# Allegro board LED_FIN.brd (continued)
## Nets (continued)
COL_OUT_B88: D5702.1(CATHODE) D5732.1(CATHODE) D5762.1(CATHODE) D5792.1(CATHODE) D5822.1(CATHODE) D5852.1(CATHODE) D5882.1(CATHODE) D5912.1(CATHODE) D5942.1(CATHODE) D5972.1(CATHODE) D6002.1(CATHODE) D6032.1(CATHODE) D6062.1(CATHODE) D6092.1(CATHODE) D6122.1(CATHODE) D6152.1(CATHODE) D6182.1(CATHODE) D6212.1(CATHODE) D6242.1(CATHODE) D6272.1(CATHODE) D6302.1(CATHODE) D6332.1(CATHODE) D6362.1(CATHODE) D6392.1(CATHODE) D6422.1(CATHODE) D6452.1(CATHODE) D6482.1(CATHODE) D6512.1(CATHODE) D6542.1(CATHODE) D6572.1(CATHODE) D6602.1(CATHODE) D6632.1(CATHODE) D6662.1(CATHODE) D6692.1(CATHODE) D6722.1(CATHODE) D6752.1(CATHODE) D6782.1(CATHODE) D6812.1(CATHODE) R152.1
COL_OUT_B89: D5701.1(CATHODE) D5731.1(CATHODE) D5761.1(CATHODE) D5791.1(CATHODE) D5821.1(CATHODE) D5851.1(CATHODE) D5881.1(CATHODE) D5911.1(CATHODE) D5941.1(CATHODE) D5971.1(CATHODE) D6001.1(CATHODE) D6031.1(CATHODE) D6061.1(CATHODE) D6091.1(CATHODE) D6121.1(CATHODE) D6151.1(CATHODE) D6181.1(CATHODE) D6211.1(CATHODE) D6241.1(CATHODE) D6271.1(CATHODE) D6301.1(CATHODE) D6331.1(CATHODE) D6361.1(CATHODE) D6391.1(CATHODE) D6421.1(CATHODE) D6451.1(CATHODE) D6481.1(CATHODE) D6511.1(CATHODE) D6541.1(CATHODE) D6571.1(CATHODE) D6601.1(CATHODE) D6631.1(CATHODE) D6661.1(CATHODE) D6691.1(CATHODE) D6721.1(CATHODE) D6751.1(CATHODE) D6781.1(CATHODE) D6811.1(CATHODE) R151.1
COL_OUT_B90: D4590.1(CATHODE) D4620.1(CATHODE) D4650.1(CATHODE) D4680.1(CATHODE) D4710.1(CATHODE) D4740.1(CATHODE) D4770.1(CATHODE) D4800.1(CATHODE) D4830.1(CATHODE) D4860.1(CATHODE) D4890.1(CATHODE) D4920.1(CATHODE) D4950.1(CATHODE) D4980.1(CATHODE) D5010.1(CATHODE) D5040.1(CATHODE) D5070.1(CATHODE) D5100.1(CATHODE) D5130.1(CATHODE) D5160.1(CATHODE) D5190.1(CATHODE) D5220.1(CATHODE) D5250.1(CATHODE) D5280.1(CATHODE) D5310.1(CATHODE) D5340.1(CATHODE) D5370.1(CATHODE) D5400.1(CATHODE) D5430.1(CATHODE) D5460.1(CATHODE) D5490.1(CATHODE) D5520.1(CATHODE) D5550.1(CATHODE) D5580.1(CATHODE) D5610.1(CATHODE) D5640.1(CATHODE) D5670.1(CATHODE) D5700.1(CATHODE) R150.1
COL_OUT_B91: D4589.1(CATHODE) D4619.1(CATHODE) D4649.1(CATHODE) D4679.1(CATHODE) D4709.1(CATHODE) D4739.1(CATHODE) D4769.1(CATHODE) D4799.1(CATHODE) D4829.1(CATHODE) D4859.1(CATHODE) D4889.1(CATHODE) D4919.1(CATHODE) D4949.1(CATHODE) D4979.1(CATHODE) D5009.1(CATHODE) D5039.1(CATHODE) D5069.1(CATHODE) D5099.1(CATHODE) D5129.1(CATHODE) D5159.1(CATHODE) D5189.1(CATHODE) D5219.1(CATHODE) D5249.1(CATHODE) D5279.1(CATHODE) D5309.1(CATHODE) D5339.1(CATHODE) D5369.1(CATHODE) D5399.1(CATHODE) D5429.1(CATHODE) D5459.1(CATHODE) D5489.1(CATHODE) D5519.1(CATHODE) D5549.1(CATHODE) D5579.1(CATHODE) D5609.1(CATHODE) D5639.1(CATHODE) D5669.1(CATHODE) D5699.1(CATHODE) R149.1
COL_OUT_B92: D4588.1(CATHODE) D4618.1(CATHODE) D4648.1(CATHODE) D4678.1(CATHODE) D4708.1(CATHODE) D4738.1(CATHODE) D4768.1(CATHODE) D4798.1(CATHODE) D4828.1(CATHODE) D4858.1(CATHODE) D4888.1(CATHODE) D4918.1(CATHODE) D4948.1(CATHODE) D4978.1(CATHODE) D5008.1(CATHODE) D5038.1(CATHODE) D5068.1(CATHODE) D5098.1(CATHODE) D5128.1(CATHODE) D5158.1(CATHODE) D5188.1(CATHODE) D5218.1(CATHODE) D5248.1(CATHODE) D5278.1(CATHODE) D5308.1(CATHODE) D5338.1(CATHODE) D5368.1(CATHODE) D5398.1(CATHODE) D5428.1(CATHODE) D5458.1(CATHODE) D5488.1(CATHODE) D5518.1(CATHODE) D5548.1(CATHODE) D5578.1(CATHODE) D5608.1(CATHODE) D5638.1(CATHODE) D5668.1(CATHODE) D5698.1(CATHODE) R148.1
COL_OUT_B93: D4587.1(CATHODE) D4617.1(CATHODE) D4647.1(CATHODE) D4677.1(CATHODE) D4707.1(CATHODE) D4737.1(CATHODE) D4767.1(CATHODE) D4797.1(CATHODE) D4827.1(CATHODE) D4857.1(CATHODE) D4887.1(CATHODE) D4917.1(CATHODE) D4947.1(CATHODE) D4977.1(CATHODE) D5007.1(CATHODE) D5037.1(CATHODE) D5067.1(CATHODE) D5097.1(CATHODE) D5127.1(CATHODE) D5157.1(CATHODE) D5187.1(CATHODE) D5217.1(CATHODE) D5247.1(CATHODE) D5277.1(CATHODE) D5307.1(CATHODE) D5337.1(CATHODE) D5367.1(CATHODE) D5397.1(CATHODE) D5427.1(CATHODE) D5457.1(CATHODE) D5487.1(CATHODE) D5517.1(CATHODE) D5547.1(CATHODE) D5577.1(CATHODE) D5607.1(CATHODE) D5637.1(CATHODE) D5667.1(CATHODE) D5697.1(CATHODE) R147.1
COL_OUT_B94: D4586.1(CATHODE) D4616.1(CATHODE) D4646.1(CATHODE) D4676.1(CATHODE) D4706.1(CATHODE) D4736.1(CATHODE) D4766.1(CATHODE) D4796.1(CATHODE) D4826.1(CATHODE) D4856.1(CATHODE) D4886.1(CATHODE) D4916.1(CATHODE) D4946.1(CATHODE) D4976.1(CATHODE) D5006.1(CATHODE) D5036.1(CATHODE) D5066.1(CATHODE) D5096.1(CATHODE) D5126.1(CATHODE) D5156.1(CATHODE) D5186.1(CATHODE) D5216.1(CATHODE) D5246.1(CATHODE) D5276.1(CATHODE) D5306.1(CATHODE) D5336.1(CATHODE) D5366.1(CATHODE) D5396.1(CATHODE) D5426.1(CATHODE) D5456.1(CATHODE) D5486.1(CATHODE) D5516.1(CATHODE) D5546.1(CATHODE) D5576.1(CATHODE) D5606.1(CATHODE) D5636.1(CATHODE) D5666.1(CATHODE) D5696.1(CATHODE) R146.1
COL_OUT_B95: D4585.1(CATHODE) D4615.1(CATHODE) D4645.1(CATHODE) D4675.1(CATHODE) D4705.1(CATHODE) D4735.1(CATHODE) D4765.1(CATHODE) D4795.1(CATHODE) D4825.1(CATHODE) D4855.1(CATHODE) D4885.1(CATHODE) D4915.1(CATHODE) D4945.1(CATHODE) D4975.1(CATHODE) D5005.1(CATHODE) D5035.1(CATHODE) D5065.1(CATHODE) D5095.1(CATHODE) D5125.1(CATHODE) D5155.1(CATHODE) D5185.1(CATHODE) D5215.1(CATHODE) D5245.1(CATHODE) D5275.1(CATHODE) D5305.1(CATHODE) D5335.1(CATHODE) D5365.1(CATHODE) D5395.1(CATHODE) D5425.1(CATHODE) D5455.1(CATHODE) D5485.1(CATHODE) D5515.1(CATHODE) D5545.1(CATHODE) D5575.1(CATHODE) D5605.1(CATHODE) D5635.1(CATHODE) D5665.1(CATHODE) D5695.1(CATHODE) R145.1
COL_OUT_B96: D4584.1(CATHODE) D4614.1(CATHODE) D4644.1(CATHODE) D4674.1(CATHODE) D4704.1(CATHODE) D4734.1(CATHODE) D4764.1(CATHODE) D4794.1(CATHODE) D4824.1(CATHODE) D4854.1(CATHODE) D4884.1(CATHODE) D4914.1(CATHODE) D4944.1(CATHODE) D4974.1(CATHODE) D5004.1(CATHODE) D5034.1(CATHODE) D5064.1(CATHODE) D5094.1(CATHODE) D5124.1(CATHODE) D5154.1(CATHODE) D5184.1(CATHODE) D5214.1(CATHODE) D5244.1(CATHODE) D5274.1(CATHODE) D5304.1(CATHODE) D5334.1(CATHODE) D5364.1(CATHODE) D5394.1(CATHODE) D5424.1(CATHODE) D5454.1(CATHODE) D5484.1(CATHODE) D5514.1(CATHODE) D5544.1(CATHODE) D5574.1(CATHODE) D5604.1(CATHODE) D5634.1(CATHODE) D5664.1(CATHODE) D5694.1(CATHODE) R144.1
COL_OUT_B97: D4583.1(CATHODE) D4613.1(CATHODE) D4643.1(CATHODE) D4673.1(CATHODE) D4703.1(CATHODE) D4733.1(CATHODE) D4763.1(CATHODE) D4793.1(CATHODE) D4823.1(CATHODE) D4853.1(CATHODE) D4883.1(CATHODE) D4913.1(CATHODE) D4943.1(CATHODE) D4973.1(CATHODE) D5003.1(CATHODE) D5033.1(CATHODE) D5063.1(CATHODE) D5093.1(CATHODE) D5123.1(CATHODE) D5153.1(CATHODE) D5183.1(CATHODE) D5213.1(CATHODE) D5243.1(CATHODE) D5273.1(CATHODE) D5303.1(CATHODE) D5333.1(CATHODE) D5363.1(CATHODE) D5393.1(CATHODE) D5423.1(CATHODE) D5453.1(CATHODE) D5483.1(CATHODE) D5513.1(CATHODE) D5543.1(CATHODE) D5573.1(CATHODE) D5603.1(CATHODE) D5633.1(CATHODE) D5663.1(CATHODE) D5693.1(CATHODE) R143.1
COL_OUT_B98: D4582.1(CATHODE) D4612.1(CATHODE) D4642.1(CATHODE) D4672.1(CATHODE) D4702.1(CATHODE) D4732.1(CATHODE) D4762.1(CATHODE) D4792.1(CATHODE) D4822.1(CATHODE) D4852.1(CATHODE) D4882.1(CATHODE) D4912.1(CATHODE) D4942.1(CATHODE) D4972.1(CATHODE) D5002.1(CATHODE) D5032.1(CATHODE) D5062.1(CATHODE) D5092.1(CATHODE) D5122.1(CATHODE) D5152.1(CATHODE) D5182.1(CATHODE) D5212.1(CATHODE) D5242.1(CATHODE) D5272.1(CATHODE) D5302.1(CATHODE) D5332.1(CATHODE) D5362.1(CATHODE) D5392.1(CATHODE) D5422.1(CATHODE) D5452.1(CATHODE) D5482.1(CATHODE) D5512.1(CATHODE) D5542.1(CATHODE) D5572.1(CATHODE) D5602.1(CATHODE) D5632.1(CATHODE) D5662.1(CATHODE) D5692.1(CATHODE) R142.1
COL_OUT_B99: D4581.1(CATHODE) D4611.1(CATHODE) D4641.1(CATHODE) D4671.1(CATHODE) D4701.1(CATHODE) D4731.1(CATHODE) D4761.1(CATHODE) D4791.1(CATHODE) D4821.1(CATHODE) D4851.1(CATHODE) D4881.1(CATHODE) D4911.1(CATHODE) D4941.1(CATHODE) D4971.1(CATHODE) D5001.1(CATHODE) D5031.1(CATHODE) D5061.1(CATHODE) D5091.1(CATHODE) D5121.1(CATHODE) D5151.1(CATHODE) D5181.1(CATHODE) D5211.1(CATHODE) D5241.1(CATHODE) D5271.1(CATHODE) D5301.1(CATHODE) D5331.1(CATHODE) D5361.1(CATHODE) D5391.1(CATHODE) D5421.1(CATHODE) D5451.1(CATHODE) D5481.1(CATHODE) D5511.1(CATHODE) D5541.1(CATHODE) D5571.1(CATHODE) D5601.1(CATHODE) D5631.1(CATHODE) D5661.1(CATHODE) D5691.1(CATHODE) R141.1
COL_OUT_B100: D4580.1(CATHODE) D4610.1(CATHODE) D4640.1(CATHODE) D4670.1(CATHODE) D4700.1(CATHODE) D4730.1(CATHODE) D4760.1(CATHODE) D4790.1(CATHODE) D4820.1(CATHODE) D4850.1(CATHODE) D4880.1(CATHODE) D4910.1(CATHODE) D4940.1(CATHODE) D4970.1(CATHODE) D5000.1(CATHODE) D5030.1(CATHODE) D5060.1(CATHODE) D5090.1(CATHODE) D5120.1(CATHODE) D5150.1(CATHODE) D5180.1(CATHODE) D5210.1(CATHODE) D5240.1(CATHODE) D5270.1(CATHODE) D5300.1(CATHODE) D5330.1(CATHODE) D5360.1(CATHODE) D5390.1(CATHODE) D5420.1(CATHODE) D5450.1(CATHODE) D5480.1(CATHODE) D5510.1(CATHODE) D5540.1(CATHODE) D5570.1(CATHODE) D5600.1(CATHODE) D5630.1(CATHODE) D5660.1(CATHODE) D5690.1(CATHODE) R140.1
COL_OUT_B101: D4579.1(CATHODE) D4609.1(CATHODE) D4639.1(CATHODE) D4669.1(CATHODE) D4699.1(CATHODE) D4729.1(CATHODE) D4759.1(CATHODE) D4789.1(CATHODE) D4819.1(CATHODE) D4849.1(CATHODE) D4879.1(CATHODE) D4909.1(CATHODE) D4939.1(CATHODE) D4969.1(CATHODE) D4999.1(CATHODE) D5029.1(CATHODE) D5059.1(CATHODE) D5089.1(CATHODE) D5119.1(CATHODE) D5149.1(CATHODE) D5179.1(CATHODE) D5209.1(CATHODE) D5239.1(CATHODE) D5269.1(CATHODE) D5299.1(CATHODE) D5329.1(CATHODE) D5359.1(CATHODE) D5389.1(CATHODE) D5419.1(CATHODE) D5449.1(CATHODE) D5479.1(CATHODE) D5509.1(CATHODE) D5539.1(CATHODE) D5569.1(CATHODE) D5599.1(CATHODE) D5629.1(CATHODE) D5659.1(CATHODE) D5689.1(CATHODE) R139.1
COL_OUT_B102: D4578.1(CATHODE) D4608.1(CATHODE) D4638.1(CATHODE) D4668.1(CATHODE) D4698.1(CATHODE) D4728.1(CATHODE) D4758.1(CATHODE) D4788.1(CATHODE) D4818.1(CATHODE) D4848.1(CATHODE) D4878.1(CATHODE) D4908.1(CATHODE) D4938.1(CATHODE) D4968.1(CATHODE) D4998.1(CATHODE) D5028.1(CATHODE) D5058.1(CATHODE) D5088.1(CATHODE) D5118.1(CATHODE) D5148.1(CATHODE) D5178.1(CATHODE) D5208.1(CATHODE) D5238.1(CATHODE) D5268.1(CATHODE) D5298.1(CATHODE) D5328.1(CATHODE) D5358.1(CATHODE) D5388.1(CATHODE) D5418.1(CATHODE) D5448.1(CATHODE) D5478.1(CATHODE) D5508.1(CATHODE) D5538.1(CATHODE) D5568.1(CATHODE) D5598.1(CATHODE) D5628.1(CATHODE) D5658.1(CATHODE) D5688.1(CATHODE) R138.1
COL_OUT_B103: D4577.1(CATHODE) D4607.1(CATHODE) D4637.1(CATHODE) D4667.1(CATHODE) D4697.1(CATHODE) D4727.1(CATHODE) D4757.1(CATHODE) D4787.1(CATHODE) D4817.1(CATHODE) D4847.1(CATHODE) D4877.1(CATHODE) D4907.1(CATHODE) D4937.1(CATHODE) D4967.1(CATHODE) D4997.1(CATHODE) D5027.1(CATHODE) D5057.1(CATHODE) D5087.1(CATHODE) D5117.1(CATHODE) D5147.1(CATHODE) D5177.1(CATHODE) D5207.1(CATHODE) D5237.1(CATHODE) D5267.1(CATHODE) D5297.1(CATHODE) D5327.1(CATHODE) D5357.1(CATHODE) D5387.1(CATHODE) D5417.1(CATHODE) D5447.1(CATHODE) D5477.1(CATHODE) D5507.1(CATHODE) D5537.1(CATHODE) D5567.1(CATHODE) D5597.1(CATHODE) D5627.1(CATHODE) D5657.1(CATHODE) D5687.1(CATHODE) R137.1
COL_OUT_B104: D4576.1(CATHODE) D4606.1(CATHODE) D4636.1(CATHODE) D4666.1(CATHODE) D4696.1(CATHODE) D4726.1(CATHODE) D4756.1(CATHODE) D4786.1(CATHODE) D4816.1(CATHODE) D4846.1(CATHODE) D4876.1(CATHODE) D4906.1(CATHODE) D4936.1(CATHODE) D4966.1(CATHODE) D4996.1(CATHODE) D5026.1(CATHODE) D5056.1(CATHODE) D5086.1(CATHODE) D5116.1(CATHODE) D5146.1(CATHODE) D5176.1(CATHODE) D5206.1(CATHODE) D5236.1(CATHODE) D5266.1(CATHODE) D5296.1(CATHODE) D5326.1(CATHODE) D5356.1(CATHODE) D5386.1(CATHODE) D5416.1(CATHODE) D5446.1(CATHODE) D5476.1(CATHODE) D5506.1(CATHODE) D5536.1(CATHODE) D5566.1(CATHODE) D5596.1(CATHODE) D5626.1(CATHODE) D5656.1(CATHODE) D5686.1(CATHODE) R136.1
COL_OUT_B105: D4575.1(CATHODE) D4605.1(CATHODE) D4635.1(CATHODE) D4665.1(CATHODE) D4695.1(CATHODE) D4725.1(CATHODE) D4755.1(CATHODE) D4785.1(CATHODE) D4815.1(CATHODE) D4845.1(CATHODE) D4875.1(CATHODE) D4905.1(CATHODE) D4935.1(CATHODE) D4965.1(CATHODE) D4995.1(CATHODE) D5025.1(CATHODE) D5055.1(CATHODE) D5085.1(CATHODE) D5115.1(CATHODE) D5145.1(CATHODE) D5175.1(CATHODE) D5205.1(CATHODE) D5235.1(CATHODE) D5265.1(CATHODE) D5295.1(CATHODE) D5325.1(CATHODE) D5355.1(CATHODE) D5385.1(CATHODE) D5415.1(CATHODE) D5445.1(CATHODE) D5475.1(CATHODE) D5505.1(CATHODE) D5535.1(CATHODE) D5565.1(CATHODE) D5595.1(CATHODE) D5625.1(CATHODE) D5655.1(CATHODE) D5685.1(CATHODE) R135.1
COL_OUT_B106: D4574.1(CATHODE) D4604.1(CATHODE) D4634.1(CATHODE) D4664.1(CATHODE) D4694.1(CATHODE) D4724.1(CATHODE) D4754.1(CATHODE) D4784.1(CATHODE) D4814.1(CATHODE) D4844.1(CATHODE) D4874.1(CATHODE) D4904.1(CATHODE) D4934.1(CATHODE) D4964.1(CATHODE) D4994.1(CATHODE) D5024.1(CATHODE) D5054.1(CATHODE) D5084.1(CATHODE) D5114.1(CATHODE) D5144.1(CATHODE) D5174.1(CATHODE) D5204.1(CATHODE) D5234.1(CATHODE) D5264.1(CATHODE) D5294.1(CATHODE) D5324.1(CATHODE) D5354.1(CATHODE) D5384.1(CATHODE) D5414.1(CATHODE) D5444.1(CATHODE) D5474.1(CATHODE) D5504.1(CATHODE) D5534.1(CATHODE) D5564.1(CATHODE) D5594.1(CATHODE) D5624.1(CATHODE) D5654.1(CATHODE) D5684.1(CATHODE) R134.1
COL_OUT_B107: D4573.1(CATHODE) D4603.1(CATHODE) D4633.1(CATHODE) D4663.1(CATHODE) D4693.1(CATHODE) D4723.1(CATHODE) D4753.1(CATHODE) D4783.1(CATHODE) D4813.1(CATHODE) D4843.1(CATHODE) D4873.1(CATHODE) D4903.1(CATHODE) D4933.1(CATHODE) D4963.1(CATHODE) D4993.1(CATHODE) D5023.1(CATHODE) D5053.1(CATHODE) D5083.1(CATHODE) D5113.1(CATHODE) D5143.1(CATHODE) D5173.1(CATHODE) D5203.1(CATHODE) D5233.1(CATHODE) D5263.1(CATHODE) D5293.1(CATHODE) D5323.1(CATHODE) D5353.1(CATHODE) D5383.1(CATHODE) D5413.1(CATHODE) D5443.1(CATHODE) D5473.1(CATHODE) D5503.1(CATHODE) D5533.1(CATHODE) D5563.1(CATHODE) D5593.1(CATHODE) D5623.1(CATHODE) D5653.1(CATHODE) D5683.1(CATHODE) R133.1
COL_OUT_B108: D4572.1(CATHODE) D4602.1(CATHODE) D4632.1(CATHODE) D4662.1(CATHODE) D4692.1(CATHODE) D4722.1(CATHODE) D4752.1(CATHODE) D4782.1(CATHODE) D4812.1(CATHODE) D4842.1(CATHODE) D4872.1(CATHODE) D4902.1(CATHODE) D4932.1(CATHODE) D4962.1(CATHODE) D4992.1(CATHODE) D5022.1(CATHODE) D5052.1(CATHODE) D5082.1(CATHODE) D5112.1(CATHODE) D5142.1(CATHODE) D5172.1(CATHODE) D5202.1(CATHODE) D5232.1(CATHODE) D5262.1(CATHODE) D5292.1(CATHODE) D5322.1(CATHODE) D5352.1(CATHODE) D5382.1(CATHODE) D5412.1(CATHODE) D5442.1(CATHODE) D5472.1(CATHODE) D5502.1(CATHODE) D5532.1(CATHODE) D5562.1(CATHODE) D5592.1(CATHODE) D5622.1(CATHODE) D5652.1(CATHODE) D5682.1(CATHODE) R132.1
COL_OUT_B109: D4571.1(CATHODE) D4601.1(CATHODE) D4631.1(CATHODE) D4661.1(CATHODE) D4691.1(CATHODE) D4721.1(CATHODE) D4751.1(CATHODE) D4781.1(CATHODE) D4811.1(CATHODE) D4841.1(CATHODE) D4871.1(CATHODE) D4901.1(CATHODE) D4931.1(CATHODE) D4961.1(CATHODE) D4991.1(CATHODE) D5021.1(CATHODE) D5051.1(CATHODE) D5081.1(CATHODE) D5111.1(CATHODE) D5141.1(CATHODE) D5171.1(CATHODE) D5201.1(CATHODE) D5231.1(CATHODE) D5261.1(CATHODE) D5291.1(CATHODE) D5321.1(CATHODE) D5351.1(CATHODE) D5381.1(CATHODE) D5411.1(CATHODE) D5441.1(CATHODE) D5471.1(CATHODE) D5501.1(CATHODE) D5531.1(CATHODE) D5561.1(CATHODE) D5591.1(CATHODE) D5621.1(CATHODE) D5651.1(CATHODE) D5681.1(CATHODE) R131.1
COL_OUT_B110: D4570.1(CATHODE) D4600.1(CATHODE) D4630.1(CATHODE) D4660.1(CATHODE) D4690.1(CATHODE) D4720.1(CATHODE) D4750.1(CATHODE) D4780.1(CATHODE) D4810.1(CATHODE) D4840.1(CATHODE) D4870.1(CATHODE) D4900.1(CATHODE) D4930.1(CATHODE) D4960.1(CATHODE) D4990.1(CATHODE) D5020.1(CATHODE) D5050.1(CATHODE) D5080.1(CATHODE) D5110.1(CATHODE) D5140.1(CATHODE) D5170.1(CATHODE) D5200.1(CATHODE) D5230.1(CATHODE) D5260.1(CATHODE) D5290.1(CATHODE) D5320.1(CATHODE) D5350.1(CATHODE) D5380.1(CATHODE) D5410.1(CATHODE) D5440.1(CATHODE) D5470.1(CATHODE) D5500.1(CATHODE) D5530.1(CATHODE) D5560.1(CATHODE) D5590.1(CATHODE) D5620.1(CATHODE) D5650.1(CATHODE) D5680.1(CATHODE) R130.1
COL_OUT_B111: D4569.1(CATHODE) D4599.1(CATHODE) D4629.1(CATHODE) D4659.1(CATHODE) D4689.1(CATHODE) D4719.1(CATHODE) D4749.1(CATHODE) D4779.1(CATHODE) D4809.1(CATHODE) D4839.1(CATHODE) D4869.1(CATHODE) D4899.1(CATHODE) D4929.1(CATHODE) D4959.1(CATHODE) D4989.1(CATHODE) D5019.1(CATHODE) D5049.1(CATHODE) D5079.1(CATHODE) D5109.1(CATHODE) D5139.1(CATHODE) D5169.1(CATHODE) D5199.1(CATHODE) D5229.1(CATHODE) D5259.1(CATHODE) D5289.1(CATHODE) D5319.1(CATHODE) D5349.1(CATHODE) D5379.1(CATHODE) D5409.1(CATHODE) D5439.1(CATHODE) D5469.1(CATHODE) D5499.1(CATHODE) D5529.1(CATHODE) D5559.1(CATHODE) D5589.1(CATHODE) D5619.1(CATHODE) D5649.1(CATHODE) D5679.1(CATHODE) R129.1
COL_OUT_B112: D4568.1(CATHODE) D4598.1(CATHODE) D4628.1(CATHODE) D4658.1(CATHODE) D4688.1(CATHODE) D4718.1(CATHODE) D4748.1(CATHODE) D4778.1(CATHODE) D4808.1(CATHODE) D4838.1(CATHODE) D4868.1(CATHODE) D4898.1(CATHODE) D4928.1(CATHODE) D4958.1(CATHODE) D4988.1(CATHODE) D5018.1(CATHODE) D5048.1(CATHODE) D5078.1(CATHODE) D5108.1(CATHODE) D5138.1(CATHODE) D5168.1(CATHODE) D5198.1(CATHODE) D5228.1(CATHODE) D5258.1(CATHODE) D5288.1(CATHODE) D5318.1(CATHODE) D5348.1(CATHODE) D5378.1(CATHODE) D5408.1(CATHODE) D5438.1(CATHODE) D5468.1(CATHODE) D5498.1(CATHODE) D5528.1(CATHODE) D5558.1(CATHODE) D5588.1(CATHODE) D5618.1(CATHODE) D5648.1(CATHODE) D5678.1(CATHODE) R128.1
COL_OUT_B113: D4567.1(CATHODE) D4597.1(CATHODE) D4627.1(CATHODE) D4657.1(CATHODE) D4687.1(CATHODE) D4717.1(CATHODE) D4747.1(CATHODE) D4777.1(CATHODE) D4807.1(CATHODE) D4837.1(CATHODE) D4867.1(CATHODE) D4897.1(CATHODE) D4927.1(CATHODE) D4957.1(CATHODE) D4987.1(CATHODE) D5017.1(CATHODE) D5047.1(CATHODE) D5077.1(CATHODE) D5107.1(CATHODE) D5137.1(CATHODE) D5167.1(CATHODE) D5197.1(CATHODE) D5227.1(CATHODE) D5257.1(CATHODE) D5287.1(CATHODE) D5317.1(CATHODE) D5347.1(CATHODE) D5377.1(CATHODE) D5407.1(CATHODE) D5437.1(CATHODE) D5467.1(CATHODE) D5497.1(CATHODE) D5527.1(CATHODE) D5557.1(CATHODE) D5587.1(CATHODE) D5617.1(CATHODE) D5647.1(CATHODE) D5677.1(CATHODE) R127.1
COL_OUT_B114: D4566.1(CATHODE) D4596.1(CATHODE) D4626.1(CATHODE) D4656.1(CATHODE) D4686.1(CATHODE) D4716.1(CATHODE) D4746.1(CATHODE) D4776.1(CATHODE) D4806.1(CATHODE) D4836.1(CATHODE) D4866.1(CATHODE) D4896.1(CATHODE) D4926.1(CATHODE) D4956.1(CATHODE) D4986.1(CATHODE) D5016.1(CATHODE) D5046.1(CATHODE) D5076.1(CATHODE) D5106.1(CATHODE) D5136.1(CATHODE) D5166.1(CATHODE) D5196.1(CATHODE) D5226.1(CATHODE) D5256.1(CATHODE) D5286.1(CATHODE) D5316.1(CATHODE) D5346.1(CATHODE) D5376.1(CATHODE) D5406.1(CATHODE) D5436.1(CATHODE) D5466.1(CATHODE) D5496.1(CATHODE) D5526.1(CATHODE) D5556.1(CATHODE) D5586.1(CATHODE) D5616.1(CATHODE) D5646.1(CATHODE) D5676.1(CATHODE) R126.1
COL_OUT_B115: D4565.1(CATHODE) D4595.1(CATHODE) D4625.1(CATHODE) D4655.1(CATHODE) D4685.1(CATHODE) D4715.1(CATHODE) D4745.1(CATHODE) D4775.1(CATHODE) D4805.1(CATHODE) D4835.1(CATHODE) D4865.1(CATHODE) D4895.1(CATHODE) D4925.1(CATHODE) D4955.1(CATHODE) D4985.1(CATHODE) D5015.1(CATHODE) D5045.1(CATHODE) D5075.1(CATHODE) D5105.1(CATHODE) D5135.1(CATHODE) D5165.1(CATHODE) D5195.1(CATHODE) D5225.1(CATHODE) D5255.1(CATHODE) D5285.1(CATHODE) D5315.1(CATHODE) D5345.1(CATHODE) D5375.1(CATHODE) D5405.1(CATHODE) D5435.1(CATHODE) D5465.1(CATHODE) D5495.1(CATHODE) D5525.1(CATHODE) D5555.1(CATHODE) D5585.1(CATHODE) D5615.1(CATHODE) D5645.1(CATHODE) D5675.1(CATHODE) R125.1
COL_OUT_B116: D4564.1(CATHODE) D4594.1(CATHODE) D4624.1(CATHODE) D4654.1(CATHODE) D4684.1(CATHODE) D4714.1(CATHODE) D4744.1(CATHODE) D4774.1(CATHODE) D4804.1(CATHODE) D4834.1(CATHODE) D4864.1(CATHODE) D4894.1(CATHODE) D4924.1(CATHODE) D4954.1(CATHODE) D4984.1(CATHODE) D5014.1(CATHODE) D5044.1(CATHODE) D5074.1(CATHODE) D5104.1(CATHODE) D5134.1(CATHODE) D5164.1(CATHODE) D5194.1(CATHODE) D5224.1(CATHODE) D5254.1(CATHODE) D5284.1(CATHODE) D5314.1(CATHODE) D5344.1(CATHODE) D5374.1(CATHODE) D5404.1(CATHODE) D5434.1(CATHODE) D5464.1(CATHODE) D5494.1(CATHODE) D5524.1(CATHODE) D5554.1(CATHODE) D5584.1(CATHODE) D5614.1(CATHODE) D5644.1(CATHODE) D5674.1(CATHODE) R124.1
COL_OUT_B117: D4563.1(CATHODE) D4593.1(CATHODE) D4623.1(CATHODE) D4653.1(CATHODE) D4683.1(CATHODE) D4713.1(CATHODE) D4743.1(CATHODE) D4773.1(CATHODE) D4803.1(CATHODE) D4833.1(CATHODE) D4863.1(CATHODE) D4893.1(CATHODE) D4923.1(CATHODE) D4953.1(CATHODE) D4983.1(CATHODE) D5013.1(CATHODE) D5043.1(CATHODE) D5073.1(CATHODE) D5103.1(CATHODE) D5133.1(CATHODE) D5163.1(CATHODE) D5193.1(CATHODE) D5223.1(CATHODE) D5253.1(CATHODE) D5283.1(CATHODE) D5313.1(CATHODE) D5343.1(CATHODE) D5373.1(CATHODE) D5403.1(CATHODE) D5433.1(CATHODE) D5463.1(CATHODE) D5493.1(CATHODE) D5523.1(CATHODE) D5553.1(CATHODE) D5583.1(CATHODE) D5613.1(CATHODE) D5643.1(CATHODE) D5673.1(CATHODE) R123.1
COL_OUT_B118: D4562.1(CATHODE) D4592.1(CATHODE) D4622.1(CATHODE) D4652.1(CATHODE) D4682.1(CATHODE) D4712.1(CATHODE) D4742.1(CATHODE) D4772.1(CATHODE) D4802.1(CATHODE) D4832.1(CATHODE) D4862.1(CATHODE) D4892.1(CATHODE) D4922.1(CATHODE) D4952.1(CATHODE) D4982.1(CATHODE) D5012.1(CATHODE) D5042.1(CATHODE) D5072.1(CATHODE) D5102.1(CATHODE) D5132.1(CATHODE) D5162.1(CATHODE) D5192.1(CATHODE) D5222.1(CATHODE) D5252.1(CATHODE) D5282.1(CATHODE) D5312.1(CATHODE) D5342.1(CATHODE) D5372.1(CATHODE) D5402.1(CATHODE) D5432.1(CATHODE) D5462.1(CATHODE) D5492.1(CATHODE) D5522.1(CATHODE) D5552.1(CATHODE) D5582.1(CATHODE) D5612.1(CATHODE) D5642.1(CATHODE) D5672.1(CATHODE) R122.1
COL_OUT_B119: D4561.1(CATHODE) D4591.1(CATHODE) D4621.1(CATHODE) D4651.1(CATHODE) D4681.1(CATHODE) D4711.1(CATHODE) D4741.1(CATHODE) D4771.1(CATHODE) D4801.1(CATHODE) D4831.1(CATHODE) D4861.1(CATHODE) D4891.1(CATHODE) D4921.1(CATHODE) D4951.1(CATHODE) D4981.1(CATHODE) D5011.1(CATHODE) D5041.1(CATHODE) D5071.1(CATHODE) D5101.1(CATHODE) D5131.1(CATHODE) D5161.1(CATHODE) D5191.1(CATHODE) D5221.1(CATHODE) D5251.1(CATHODE) D5281.1(CATHODE) D5311.1(CATHODE) D5341.1(CATHODE) D5371.1(CATHODE) D5401.1(CATHODE) D5431.1(CATHODE) D5461.1(CATHODE) D5491.1(CATHODE) D5521.1(CATHODE) D5551.1(CATHODE) D5581.1(CATHODE) D5611.1(CATHODE) D5641.1(CATHODE) D5671.1(CATHODE) R121.1
COL_OUT_C0: D12570.1(CATHODE) D12600.1(CATHODE) D12630.1(CATHODE) D12660.1(CATHODE) D12690.1(CATHODE) D12720.1(CATHODE) D12750.1(CATHODE) D12780.1(CATHODE) D12810.1(CATHODE) D12840.1(CATHODE) D12870.1(CATHODE) D12900.1(CATHODE) D12930.1(CATHODE) D12960.1(CATHODE) D12990.1(CATHODE) D13020.1(CATHODE) D13050.1(CATHODE) D13080.1(CATHODE) D13110.1(CATHODE) D13140.1(CATHODE) D13170.1(CATHODE) D13200.1(CATHODE) D13230.1(CATHODE) D13260.1(CATHODE) D13290.1(CATHODE) D13320.1(CATHODE) D13350.1(CATHODE) D13380.1(CATHODE) D13410.1(CATHODE) D13440.1(CATHODE) D13470.1(CATHODE) D13500.1(CATHODE) D13530.1(CATHODE) D13560.1(CATHODE) D13590.1(CATHODE) D13620.1(CATHODE) D13650.1(CATHODE) D13680.1(CATHODE) R360.1
COL_OUT_C1: D12569.1(CATHODE) D12599.1(CATHODE) D12629.1(CATHODE) D12659.1(CATHODE) D12689.1(CATHODE) D12719.1(CATHODE) D12749.1(CATHODE) D12779.1(CATHODE) D12809.1(CATHODE) D12839.1(CATHODE) D12869.1(CATHODE) D12899.1(CATHODE) D12929.1(CATHODE) D12959.1(CATHODE) D12989.1(CATHODE) D13019.1(CATHODE) D13049.1(CATHODE) D13079.1(CATHODE) D13109.1(CATHODE) D13139.1(CATHODE) D13169.1(CATHODE) D13199.1(CATHODE) D13229.1(CATHODE) D13259.1(CATHODE) D13289.1(CATHODE) D13319.1(CATHODE) D13349.1(CATHODE) D13379.1(CATHODE) D13409.1(CATHODE) D13439.1(CATHODE) D13469.1(CATHODE) D13499.1(CATHODE) D13529.1(CATHODE) D13559.1(CATHODE) D13589.1(CATHODE) D13619.1(CATHODE) D13649.1(CATHODE) D13679.1(CATHODE) R359.1
COL_OUT_C2: D12568.1(CATHODE) D12598.1(CATHODE) D12628.1(CATHODE) D12658.1(CATHODE) D12688.1(CATHODE) D12718.1(CATHODE) D12748.1(CATHODE) D12778.1(CATHODE) D12808.1(CATHODE) D12838.1(CATHODE) D12868.1(CATHODE) D12898.1(CATHODE) D12928.1(CATHODE) D12958.1(CATHODE) D12988.1(CATHODE) D13018.1(CATHODE) D13048.1(CATHODE) D13078.1(CATHODE) D13108.1(CATHODE) D13138.1(CATHODE) D13168.1(CATHODE) D13198.1(CATHODE) D13228.1(CATHODE) D13258.1(CATHODE) D13288.1(CATHODE) D13318.1(CATHODE) D13348.1(CATHODE) D13378.1(CATHODE) D13408.1(CATHODE) D13438.1(CATHODE) D13468.1(CATHODE) D13498.1(CATHODE) D13528.1(CATHODE) D13558.1(CATHODE) D13588.1(CATHODE) D13618.1(CATHODE) D13648.1(CATHODE) D13678.1(CATHODE) R358.1
COL_OUT_C3: D12567.1(CATHODE) D12597.1(CATHODE) D12627.1(CATHODE) D12657.1(CATHODE) D12687.1(CATHODE) D12717.1(CATHODE) D12747.1(CATHODE) D12777.1(CATHODE) D12807.1(CATHODE) D12837.1(CATHODE) D12867.1(CATHODE) D12897.1(CATHODE) D12927.1(CATHODE) D12957.1(CATHODE) D12987.1(CATHODE) D13017.1(CATHODE) D13047.1(CATHODE) D13077.1(CATHODE) D13107.1(CATHODE) D13137.1(CATHODE) D13167.1(CATHODE) D13197.1(CATHODE) D13227.1(CATHODE) D13257.1(CATHODE) D13287.1(CATHODE) D13317.1(CATHODE) D13347.1(CATHODE) D13377.1(CATHODE) D13407.1(CATHODE) D13437.1(CATHODE) D13467.1(CATHODE) D13497.1(CATHODE) D13527.1(CATHODE) D13557.1(CATHODE) D13587.1(CATHODE) D13617.1(CATHODE) D13647.1(CATHODE) D13677.1(CATHODE) R357.1
